# Altium PCB DIO-BNC.PCBDOC (part 3 of 3)
Units mil, origin at the board's own origin, x right, y up, seen from the top; angles counter-clockwise.
Board outline 2496.06 x 3937 mil, 4 copper layers (TopLayer, Internal Plane 2, Internal Plane 1, BottomLayer), stack 65.476 mil thick; 236 components, 132 nets, 813 pads, 428 vias.
Unrouted connection lines stored in the file: 1.
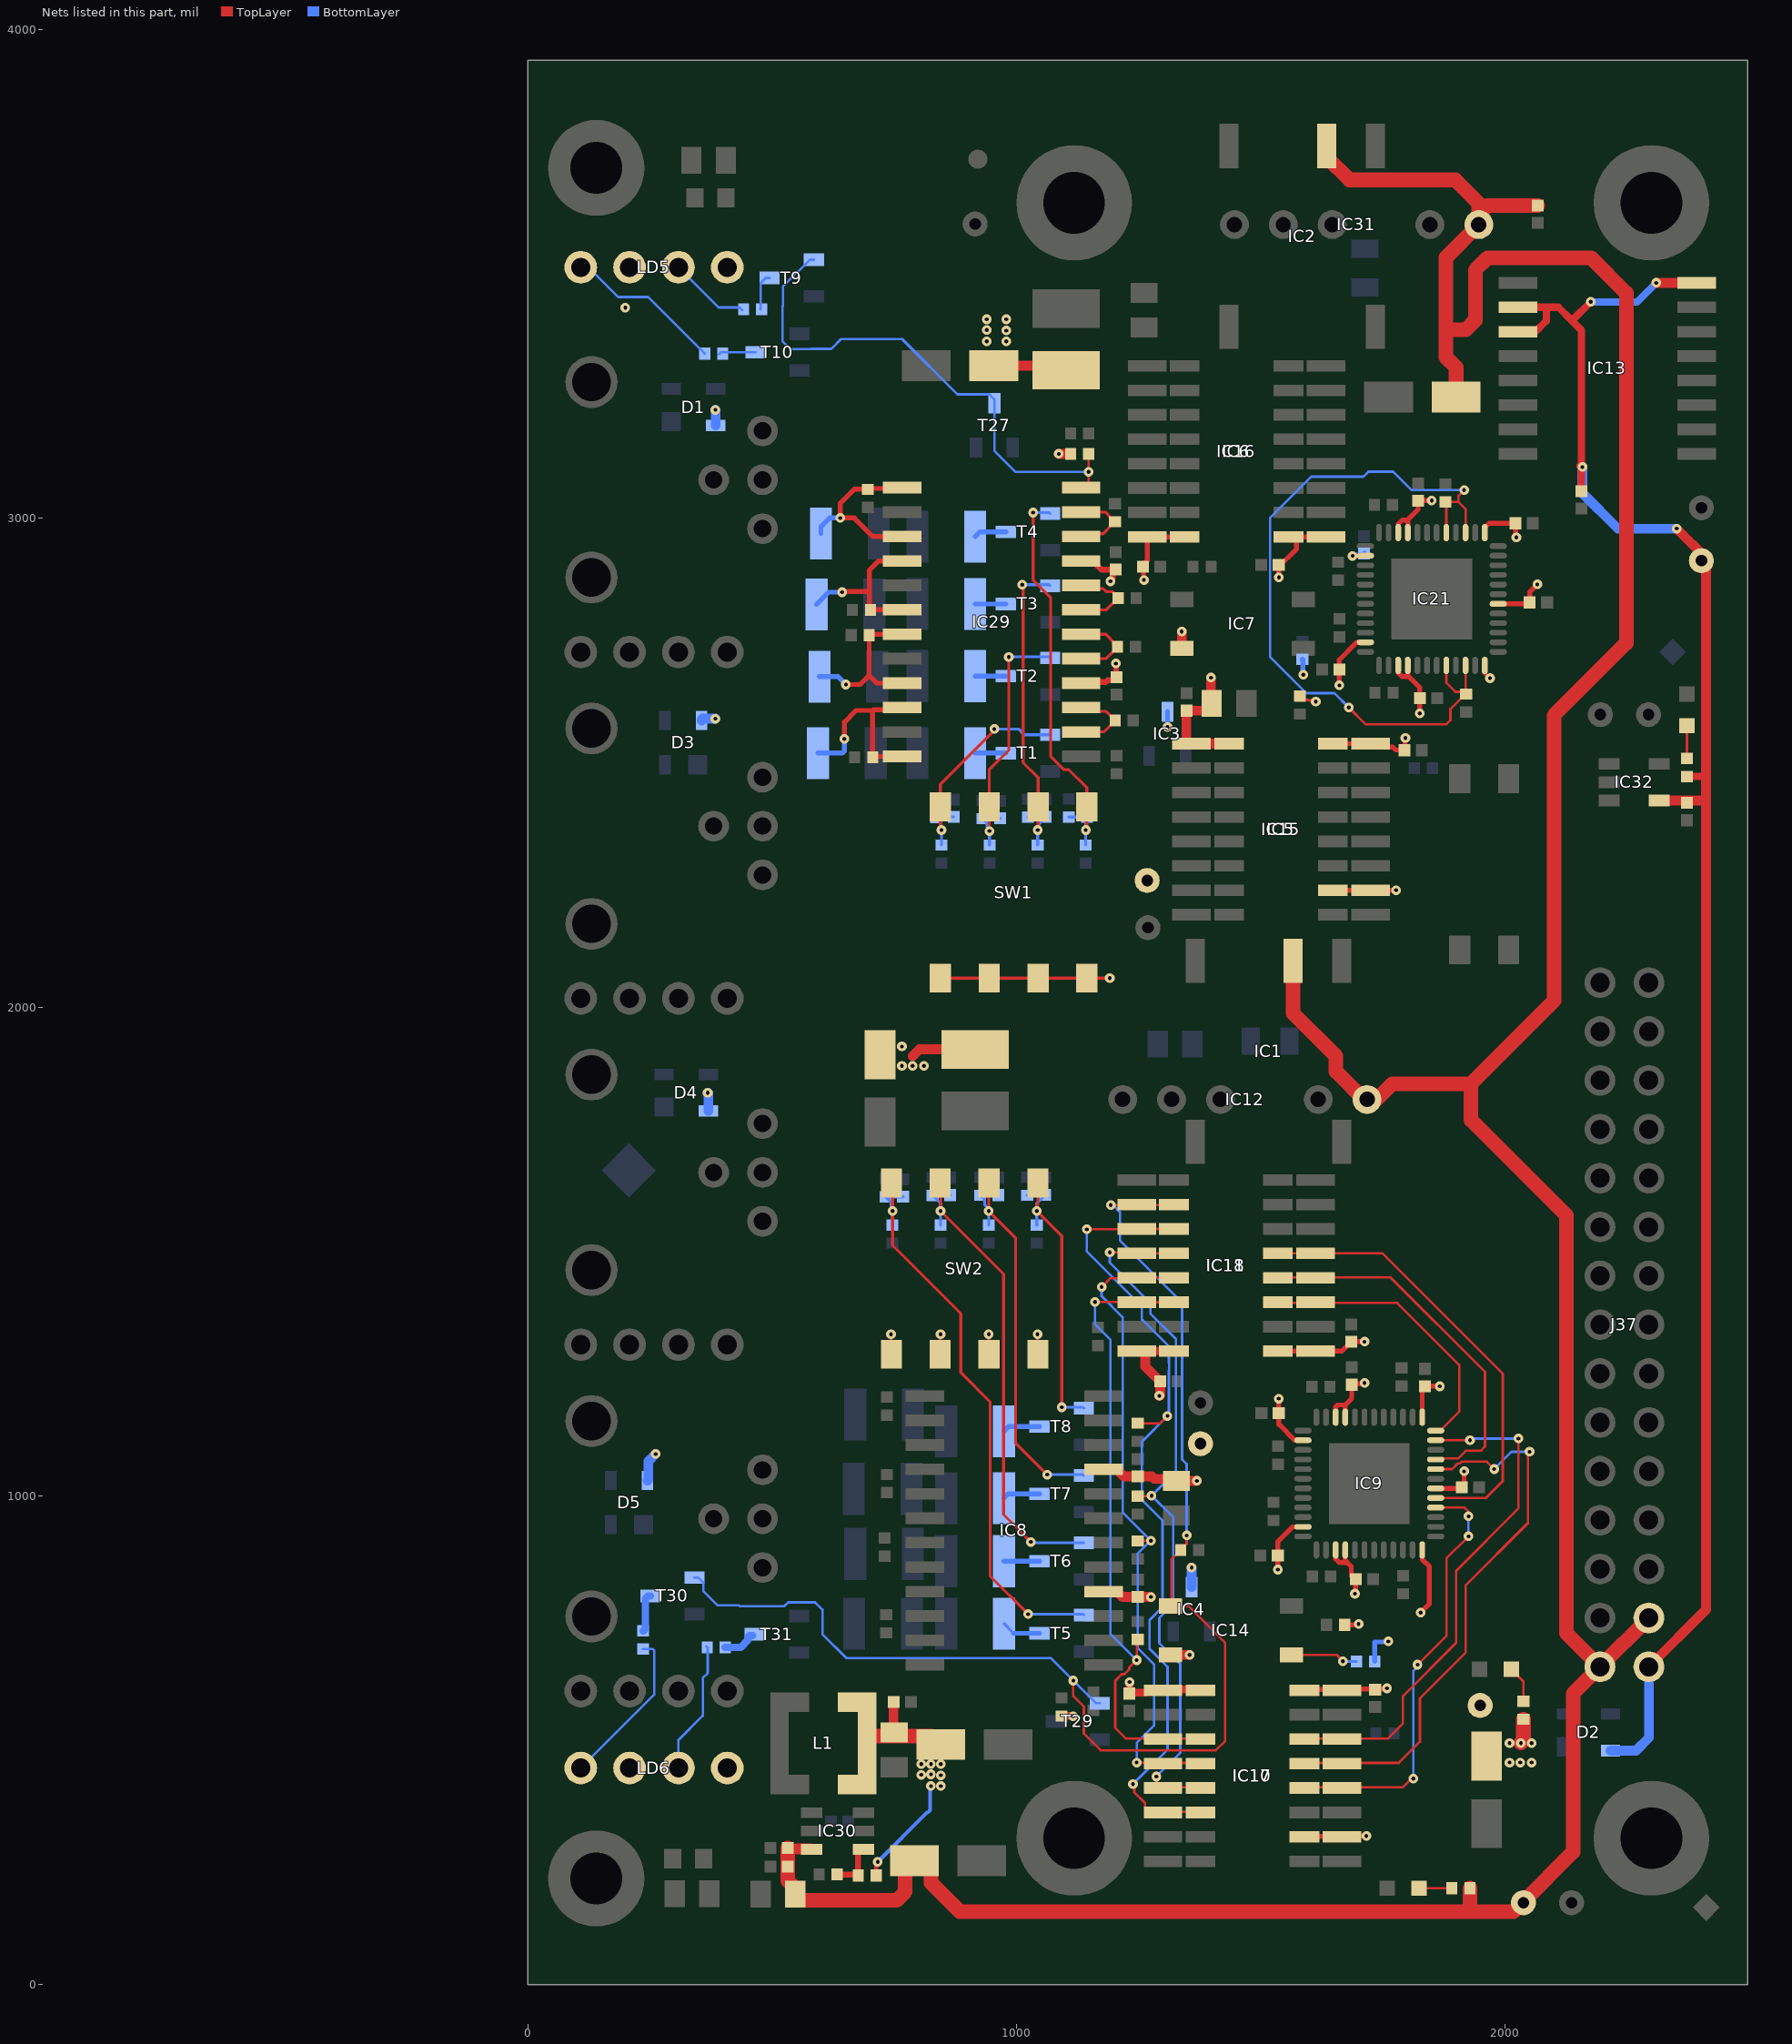
[diagram p5: the nets of this part, all layers, seen from the top]

## Via types
v1: diameter 19.68, hole 7.87, TopLayer to BottomLayer, tented both sides, 351 vias
v2: diameter 19.68, hole 7.87, TopLayer to BottomLayer, 53 vias
v3: diameter 23.62, hole 11.81, TopLayer to BottomLayer, tented both sides, 24 vias

## Nets (pads, with @x,y where several pads share a name; then routed paths per layer and width w, separated by ;. In a path a pad name is that pad's centre, name@x,y a point inside that pad or via, vN(x,y) a via of type N, cw(c..) or ccw(c..) an arc to the next point about the centre after c; other vN are vias at no path point) (continued)
NetIC9_28: IC9.28 IC10.12 IC17.12 | length 894.4
  TopLayer w5: IC10.12@1589,403.28 1790.31,403.28 1808.03,421 v1(1812,421) ; v1(1820.89,654.29) 1880,713.4 1880,872 v1(1925,917) ; IC9.28@1857.83,975.79 1917,975.79 1925,967.79 v1(1925,958)
  BottomLayer w5: v1(1812,421) 1812,641.42 1820.89,650.31 v1(1820.89,654.29) ; v1(1925,917) v1(1925,958)
NetIC9_29: IC9.29 IC11.5 IC18.5 | length 932.6
  TopLayer w5: IC11.5@1535.7,1496 1749,1496 1994.87,1250.13 1994.87,1029.87 1960.47,995.47 IC9.29@1857.83,995.47
NetIC9_32: IC9.32 IC10.13 IC17.13 | length 1160.2
  TopLayer w5: IC10.13@1589,453.28 1782.17,453.28 1825.54,496.65 1825.54,585.38 1919.29,679.13 1919.29,816.93 2046.66,944.3 2046.66,1086.66 v1(2050,1090) ; IC9.32@1857.83,1054.53 1891.57,1054.53 1903.38,1066.34 1907.82,1066.34 1911.1,1069.63 1962.43,1069.63 v1(1977.53,1054.53)
  BottomLayer w5: v1(1977.53,1054.53) 2013,1090 v1(2050,1090)
NetIC9_33: IC9.33 IC11.4 IC18.4 | length 768.6
  TopLayer w5: IC11.4@1535.7,1446 1536.55,1446.85 1611.62,1446.85 1612.47,1446 1613.32,1446.85 1765.15,1446.85 1958.66,1253.34 1958.66,1100.66 1950,1092 1919.33,1092 1903.67,1076.34 1859.96,1076.34 IC9.33@1857.83,1074.21
NetIC9_35: IC9.35 IC10.14 IC17.14 | length 1066.1
  TopLayer w5: IC10.14@1589,503.28 1760.26,503.28 1791,534.02 1791,590.21 1899.61,698.82 1899.61,846.46 2027,973.85 v1(2027,1117) ; IC9.35@1857.83,1113.58 v1(1927.95,1113.58)
  BottomLayer w5: v1(1927.95,1113.58) 1930.76,1116.39 1937.62,1116.39 1938.22,1117 v1(2027,1117)
NetIC9_36: IC9.36 IC11.3 IC18.3 | length 577.1
  TopLayer w5: IC11.3@1535.7,1396 1537.2,1394.5 1610.97,1394.5 1612.47,1396 1613.97,1394.5 1779.5,1394.5 1906,1268 1906,1172 IC9.36@1866,1132
NetIC10_3: IC10.3 IC11.14 IC17.3 IC18.14 R30.2 | length 1317.9
  TopLayer w5: v2(1160.49,1396.66) 1245.67,1396.66 1246.33,1396 IC11.14@1323.1,1396 ; R30.2@1248.07,705.88 1246,703.81 v1(1246,663.7) 1231.06,648.76 1231.06,644.84 1220.91,634.69 1215.3,634.69 1201.92,621.31 1201.92,525.19 1223.83,503.28 1299.63,503.28 IC10.3@1376.4,503.28
  BottomLayer w5: v2(1160.49,1396.66) 1160.49,1351.13 1192.21,1319.41 1192.21,717.49 v1(1246,663.7)
NetIC10_4: IC10.4 IC11.13 IC17.4 IC18.13 R31.2 | length 1369.1
  TopLayer w5: v2(1174.29,1427.17) 1192.13,1445 1245.33,1445 1246.33,1446 IC11.13@1323.1,1446 ; v2(1246,454) 1298.91,454 1299.63,453.28 IC10.4@1376.4,453.28 ; R31.2@1248.03,907.68 1248.5,908.15 v1(1275,908.15)
  BottomLayer w5: v2(1174.29,1427.17) 1174.29,1408.71 1217.32,1365.68 1217.32,965.82 v1(1275,908.15) 1248.03,881.18 1248.03,688.44 1281.5,654.97 1281.5,529.5 1246,494 v2(1246,454)
NetIC10_5: IC10.5 IC11.12 IC17.5 IC18.12 R32.2 | length 1459.9
  TopLayer w5: v2(1190.94,1498) 1244.33,1498 IC18.12@1246.33,1496 ; R32.2@1248.07,999.35 1275.63,999.35 v1(1276.36,1000.08) ; IC18.12@1274,1498 1276,1496 IC11.12@1323.1,1496 ; v2(1286.23,425.35) 1286.23,411.31 1294.26,403.28 IC10.5@1376.4,403.28
  BottomLayer w5: v2(1190.94,1498) 1190.94,1477.48 1274,1394.42 1274,1372.74 1326.34,1320.4 1326.34,1050.06 v1(1276.36,1000.08) 1320.87,955.57 1320.87,778.52 1292.34,750 1292.34,698.39 1335.06,655.67 1335.06,474.18 v2(1286.23,425.35)
NetIC10_6: IC10.6 IC11.11 IC17.6 IC18.11 R33.2 | length 1723.1
  TopLayer w5: v2(1144.09,1545.28) 1245.6,1545.28 1246.33,1546 IC11.11@1323.1,1546 ; v2(1238.37,410) 1241.18,407.19 1241.18,393.17 1262.99,371.36 1262.99,361.31 1271.02,353.28 IC10.6@1376.4,353.28 ; R33.2@1248.07,1148.35 1294.13,1148.35 v1(1309,1163.22)
  BottomLayer w5: v2(1144.09,1545.28) 1144.09,1499.73 1256.66,1387.16 1256.66,1360.74 1311.79,1305.61 1311.79,1272.05 1312.34,1271.49 1312.34,1257.12 1311.79,1256.57 1311.79,1166 1256.66,1110.87 1256.66,991.62 1299,949.28 1299,772.6 1272.34,745.94 1272.34,686.69 1309,650.03 1309,480.63 v2(1238.37,410)
NetIC11_10: IC11.10 IC14.4 IC18.10 R53.2 T29.1 T30.1 | length 2782.4
  TopLayer w5: v2(1116.26,621.7) 1116.26,590.21 1137.8,568.67 1137.8,513.54 1172.34,479 1408.15,479 1427,497.85 1427,698.98 1351.59,774.39 IC14.4@1314.99,774.39 1317.5,776.9 1317.5,869.88 1336,888.39 R53.2@1336,889.17 1348.35,901.52 v1(1348.35,918.81) ; v1(1193,1595) 1318,1595 IC11.10@1319,1596
  BottomLayer w5: T30.1@341.28,832.4 349.15,832.4 359.44,822.11 359.44,804.56 388,776 431.79,776 433.78,774 525,774 533,782 588,782 603,767 603,716.55 651.55,668 1069.96,668 v2(1116.26,621.7) 1162.55,575.41 T29.1@1170.43,575.41 ; v1(1193,1595) 1197,1595 1212.08,1579.92 1212.08,1522.02 1338.96,1395.14 1338.96,1074.41 1348.35,1065.02 v1(1348.35,918.81)
NetIC14_1: IC14.1 R59.1 | length 138.3
  TopLayer w5: IC14.1@1563.02,674.39 1654.93,674.39 v1(1668,661.32)
  BottomLayer w5: v1(1668,661.32) 1668.4,660.93 R59.1@1695.78,660.93
NetIC21_20: IC21.20 IC21.22 IC21.39 IC21.41 R138.1 R152.1 | length 1564.3
  TopLayer w5: v1(1680,2613) 1714.3,2578.7 1845.77,2578.7 1845.82,2578.66 1860.18,2578.66 1860.23,2578.7 1879.7,2578.7 1888,2587 1888,2610 1918.5,2640.5 R152.1@1918.9,2640.5 ; IC21.20@1879.53,2699.17 1879.53,2663.47 1898,2645 1914.4,2645 R152.1@1918.9,2640.5 ; IC21.41@1879.53,2970.83 1879.53,3031.97 R138.1@1878,3033.5 1904.5,3033.5 ; v1(1916,3058) 1904.5,3046.5 1904.5,3033.5 ; IC21.22@1918.9,2699.17 R152.1@1918.9,2640.5 ; IC21.39@1918.9,2970.83 1918.9,3019.1 1904.5,3033.5 ; R152.1@1920,2640.5 R152.1@1918.9,2640.5
  BottomLayer w5: v1(1680,2613) 1650.66,2642.34 1593.37,2642.34 1518.88,2716.84 1518.88,3000.8 1603.49,3085.41 1709.94,3085.41 1720.1,3095.57 1770.8,3095.57 1808.37,3058 v1(1916,3058)
NetIC29_1: IC29.1 IC29.3 R16.2 R149.2 | length 373.7
  TopLayer w10: IC29.3@766.29,2962.89 705.88,2962.89 667.97,3000.8 v1(639.31,3000.8) 639.31,3030.65 668.17,3059.5 R149.2@696,3059.5 697.69,3061.2 764.6,3061.2 IC29.1@766.29,3062.89
  BottomLayer w10: R16.2@599.94,2969 599.94,2983.16 617.58,3000.8 v1(639.31,3000.8)
NetIC29_4: IC29.4 IC29.6 R15.2 R146.2 | length 340.9
  TopLayer w10: v1(643,2849) 644,2850 698.82,2850 ; IC29.6@766.29,2812.89 R146.2@701.23,2812.89 698.82,2815.3 698.82,2850 ; IC29.4@766.29,2912.89 718.01,2912.89 698.82,2893.7 698.82,2850
  BottomLayer w10: R15.2@590.94,2824 615.94,2849 v1(643,2849)
NetIC29_7: IC29.7 IC29.9 R14.2 R143.2 | length 341.1
  TopLayer w10: v1(651,2660) 680.06,2660 698.57,2678.5 ; IC29.9@766.29,2662.89 714.18,2662.89 698.57,2678.5 ; IC29.7@766.29,2762.89 700.45,2762.89 R143.2@698.57,2761.01 698.57,2678.5
  BottomLayer w10: R14.2@596.94,2676 635,2676 v1(651,2660)
NetIC29_10: IC29.10 IC29.12 R13.2 R140.2 | length 382.6
  TopLayer w10: v1(648,2549) 648,2583 671.87,2606.87 705.87,2606.87 ; IC29.10@748.03,2608.27 707.27,2608.27 705.87,2606.87 ; IC29.12@766.29,2512.89 707.87,2512.89 R140.2@705.87,2510.89 705.87,2606.87
  BottomLayer w10: R13.2@593.94,2519.68 643.69,2519.68 648,2524 v1(648,2549)
NetIC29_14: IC29.14 IC29.15 R26.1 | length 160.3
  TopLayer w6: IC29.14@1132.43,2562.89 1132.77,2563.22 1179.02,2563.22 1192.76,2576.97 1193.55,2576.97 1201.97,2585.39 R26.1@1201.97,2586.17 ; IC29.15@1132.43,2612.89 1140.3,2605.02 1183.55,2605.02 1193.2,2595.38 1193.55,2595.38 1196.98,2591.95 R26.1@1196.98,2584.52
NetIC29_17: IC29.17 IC29.18 R27.1 | length 170.6
  TopLayer w5.98: IC29.17@1132.43,2712.89 1183.17,2712.89 1206.5,2736.21 1198.07,2744.64 1198.07,2747.21 1186.39,2758.89 1186.39,2759.38 1182.89,2762.89 IC29.18@1132.43,2762.89
NetIC29_19: IC29.19 IC29.20 R28.1 | length 173
  TopLayer w6: IC29.19@1132.43,2812.89 1183.91,2812.89 1198.81,2827.8 1199.6,2827.8 1208.02,2836.21 R28.1@1208.02,2837 1199.6,2845.42 1199.6,2846.49 1196.08,2850 1183.61,2850 1177.29,2856.33 1139,2856.33 IC29.20@1132.43,2862.89
NetIC29_22: IC29.22 IC29.23 R29.1 | length 159.3
  TopLayer w6: IC29.22@1132.43,2962.89 1138.28,2968.74 1177.29,2968.74 1192.43,2983.88 1192.43,2984.67 R29.1@1200.85,2993.09 ; IC29.23@1132.43,3012.89 1181.83,3012.89 1192.43,3002.29 1192.43,3001.51 R29.1@1200.85,2993.09 ; R29.1@1201.64,2993.09 R29.1@1200.85,2993.09
NetIC29_24: IC29.24 R150.1 T9.1 T27.3 | length 1111
  TopLayer w5: IC29.24@1115.36,3064.89 1117.36,3062.89 IC29.24@1132.43,3062.89 1138.33,3062.89 1147.65,3072.2 v2(1147.65,3095) R150.1@1147.65,3132
  BottomLayer w5: T9.1@585.28,3529.4 577.4,3529.4 521.97,3473.97 521.97,3435.16 521,3434.19 521,3362.32 536.86,3346.46 580.28,3346.46 580.52,3346.7 620.94,3346.7 641.14,3366.9 766,3366.9 879.19,3253.71 944.43,3253.71 954.72,3243.42 T27.3@954.72,3235.54 954.72,3138.32 998.05,3095 v2(1147.65,3095)
NetIC30_4: IC30.4 R17.1 R24.2 | length 92.9
  TopLayer w11.81: R24.2@633.01,225 R17.1@668,225 ; R17.1@676,227 676,271.68 680.92,276.6 IC30.4@687.15,276.6
NetLD4_2: LD4.2 R6.1 | length 67.1
  TopLayer w5: LD4.2@1823.82,196.85 R6.1@1890.94,196.85
NetLD5_1: LD5.1 R44.2 | length 326.6
  BottomLayer w5: LD5.1@105,3504 134,3504 185,3453 245.99,3453 352.29,3346.7 353.07,3346.7 361.99,3337.79 R44.2@361.99,3337
NetLD5_3: LD5.3 R45.1 | length 167.1
  BottomLayer w5: LD5.3@308.27,3513.78 390.47,3431.58 433.42,3431.58 R45.1@439,3426
NetLD6_1: LD6.1 R51.1 | length 327
  BottomLayer w5: LD6.1@108.27,442.91 108.72,442.91 258.63,592.83 258.63,683.57 255.7,686.5 R51.1@236,686.5
NetLD6_3: LD6.3 R50.1 | length 271.5
  BottomLayer w5: LD6.3@308.27,442.91 308.27,500.27 358.08,550.08 358.08,627 368,636.92 R50.1@368,689 ; R50.1@365.5,691.5 R50.1@366,692
NetLD7_2: LD7.2 R8.2 | length 75.5
  TopLayer w5: LD7.2@2012.56,644.76 2037.4,619.92 R8.2@2037.4,579.53
NetLD9_2: LD9.2 R10.2 | length 67.1
  TopLayer w5: R10.2@2372.05,2508.66 LD9.2@2372.05,2575.79
NetR44_1: R44.1 T10.3 | length 76.4
  BottomLayer w5: R44.1@391,3336 395,3340 T10.3@465.72,3340
NetR45_2: R45.2 T9.3 | length 76.4
  BottomLayer w5: R45.2@476,3428 476.56,3428.56 476.56,3481.7 486.85,3492 T9.3@494.72,3492
NetR50_2: R50.2 T31.3 | length 69.5
  BottomLayer w15: R50.2@404.01,690 436,690 451.28,705.28 451.28,711.3 453.98,714 T31.3@460,714
NetR51_2: R51.2 T30.3 | length 80.8
  BottomLayer w15: R51.2@236,723.5 236.79,723.5 240.7,727.42 240.7,789.7 246,795 T30.3@250.72,795
NetR139_1: R139.1 T1.3 | length 63
  BottomLayer w10: R139.1@915.35,2519.68 T1.3@978.35,2519.68
NetR142_1: R142.1 T2.3 | length 63
  BottomLayer w10: R142.1@915.35,2677.17 T2.3@978.35,2677.17
NetR145_1: R145.1 T3.3 | length 63
  BottomLayer w10: R145.1@915.35,2824.8 T3.3@978.35,2824.8
NetR148_1: R148.1 T4.3 | length 67.1
  BottomLayer w10: R148.1@915.35,2962.6 925.2,2972.44 T4.3@978.35,2972.44
NetR158_1: R158.1 T5.3 | length 81
  BottomLayer w6: R158.1@974.41,738.19 R158.1@994.09,718.5
  BottomLayer w10: R158.1@994.09,718.5 T5.3@1047.24,718.5
NetR161_1: R161.1 T6.3 | length 72.8
  BottomLayer w10: R161.1@974.41,866.14 T6.3@1047.24,866.14
NetR164_1: R164.1 T7.3 | length 76.5
  BottomLayer w10: R164.1@974.41,995 983.35,1003.94 T7.3@1047.24,1003.94
NetR168_1: R168.1 T8.3 | length 76.9
  BottomLayer w10: R168.1@974.41,1131.89 984.25,1141.73 T8.3@1047.24,1141.73
P3V3: B5.1 C14.2 C15.2 C16.2 C17.2 C18.1 C19.2 C20.2 C21.2 C22.2 C23.2 C24.2 C53.2 C54.2 C55.2 C56.2 C69.2 C70.2 C71.1 C72.2 C73.2 IC5.10 IC5.16 IC6.1 IC9.2 IC9.11 IC9.15 IC9.16 IC9.24 IC9.30 IC9.37 IC9.45 IC9.46 IC10.10 IC10.16 IC11.1 IC15.10 IC15.16 IC16.1 IC17.10 IC17.16 IC18.1 IC21.2 IC21.11 IC21.15 IC21.16 IC21.24 IC21.30 IC21.37 IC21.45 IC21.46 L1.2 R8.1 R17.2 R49.2 R54.2 R55.2 R59.2 | length 3156
  TopLayer w6: R54.2@1579.65,2636.39 1581.89,2633.01 1582.22,2632.5 1583.93,2630.8 v1(1612.47,2625)
  TopLayer w8: R17.2@713.01,223 713.01,246.01 716,249 v1(716,251)
  TopLayer w10: v1(1534.72,848.84) 1534.72,905.72 1565.42,936.42 IC9.11@1586.17,936.42 ; IC11.1@1535.7,1296 1665.7,1296 C17.2@1685,1315.3 v2(1712.16,1315.3) ; v1(1536.72,1198.72) C70.2@1536.72,1169 1536.72,1146.28 1569.42,1113.58 IC9.2@1586.17,1113.58 ; v2@1536.8,2875.8 C53.2@1536.8,2904.4 ; C53.2@1536.8,2900.4 1536.59,2900.6 1573.25,2937.25 1573.25,2955.19 1566.44,2962 IC6.1@1556.79,2962 IC16.1@1633.56,2962 ; IC10.10@1589,303.28 1665.77,303.28 1666.13,303.64 1714.63,303.64 v1@1714.98,304 ; IC10.16@1589,603.28 1665.77,603.28 1667.13,604.64 1756.64,604.64 v2(1758,606) ; IC15.10@1647.6,2239 IC5.10@1724.37,2239 1779.71,2239 v1@1779.96,2239.25 ; IC15.16@1647.6,2539 IC5.16@1724.37,2539 1731.18,2532.19 1769.49,2532.19 1775.8,2525.88 1793.91,2525.88 C16.2@1794.2,2525.59 1794.99,2526.39 1794.99,2549.93 v2(1795.79,2550.72) ; IC9.15@1653.1,889.17 1653.1,870.9 1661,863 1677,863 ; IC9.46@1653.1,1160.83 1653.1,1182.1 1656.79,1185.79 1672.79,1185.79 ; v1(1660.72,2658.28) C15.2@1660.72,2691 1660.72,2710.72 1696.42,2746.42 IC21.11@1714.17,2746.42 ; R55.2@1671.61,735.81 1698.12,735.81 v1(1700.12,737.81) ; IC9.16@1672.79,889.17 1672.79,867.21 1677,863 ; IC9.45@1672.79,1160.83 1672.79,1185.79 ; C24.2@1685,836 1685,855 1677,863 ; v2(1687.65,2923.22) 1687.83,2923.4 1713.99,2923.4 IC21.2@1714.17,2923.58 ; v1(1692.47,799.5) 1693.78,800.81 1693.78,828.5 C24.2@1694.28,829 ; v1(1712.16,1231) 1710.3,1229.15 1687.86,1229.15 C72.2@1686,1227.28 1686,1199 1672.79,1185.79 ; IC21.15@1781.1,2699.17 1781.1,2683.9 1789,2676 1803,2676 ; IC21.46@1781.1,2970.83 1781.1,2988.1 1789.79,2996.79 1800.79,2996.79 ; IC21.16@1800.79,2699.17 1800.79,2678.21 1803,2676 ; IC21.45@1800.79,2970.83 1800.79,2996.79 ; v1(1825.28,2600.72) C54.2@1825.28,2632 1825.28,2653.72 1803,2676 ; v1(1827,761) 1844.84,778.84 1844.84,855.16 1830.27,869.73 IC9.24@1830.27,889.17 ; IC9.37@1830.27,1160.83 1830.27,1218.55 C20.2@1836,1224.28 v1@1860.28,1224.28 ; v1(1849.72,3036.28) C55.2@1822,3036.28 1822,3018 1800.79,2996.79 ; IC9.30@1857.83,1015.16 1909.44,1015.16 C23.2@1911.28,1017 1911,1017.28 1916,1022.28 v1(1916,1050) ; IC21.24@1958.27,2699.17 1958.27,2683.73 v1(1969,2673) ; IC21.37@1958.27,2981 1967.27,2990 C19.2@2021.28,2990 2021.28,2962.72 v1(2023,2961) ; IC21.30@1985.83,2825.16 2047.44,2825.16 C56.2@2050.28,2828 2050.28,2849.28 v1(2066,2865)
  TopLayer w20: C73.2@747,527 748.57,528.57 C21.2@748.57,578
  TopLayer w30: L1.2@690,506 692,508 C71.1@825.1,508 ; v1(2032,494) 2037.4,499.4 R8.1@2037.4,542.52
  BottomLayer w8: v1(716,251) 817,352 818.31,352 823.16,356.84 823.16,406.84 v1@823,407
  BottomLayer w10: R49.2@1585,2711.5 1586,2710.5 1586,2681 v1(1587,2680) ; v2(1687.65,2923.22) 1689.5,2925.07 1708.23,2925.07 C14.2@1711.44,2928.28 ; R59.2@1732.79,660.93 1732.79,700.93 1759.93,700.93 v1(1761,702)
  other v1: 1715.98,304 825,406 845,406 845,428 805,429 825,430 805,451 825,451 845,451 2009,454 2031,454 2054,454 2009,494 2054,494 1866,1224 1776.96,2239.25
  other v2: 1537,2879
P3V3_MP: B3.1 C37.2 C38.2 D2.4 IC13.2 IC13.3 IC13.16 IC32.4 J37.30 R10.1 | length 3914.7
  TopLayer w15: IC13.3@2025.93,3382 2062,3382 2084,3404 2084,3432 ; IC13.2@2025.93,3432 2084,3432 ; C38.2@2156,3055.72 2156,3107 2156,3385 2136.5,3404.5 ; v1(2175,3443) 2136.5,3404.5 ; R10.1@2372.05,2471.65 2409.82,2471.65 2411,2470.47 ; 2084,3432 2109,3432 2136.5,3404.5
  TopLayer w20: v1@2156,3107 v1(2158,3105) ; J37.30@2294,650 2411,767 2411,2418 ; v1(2309,3482) IC13.16@2392.07,3482 ; IC32.4@2315.18,2422.6 2406.4,2422.6 2411,2418 ; v1(2351,2979) 2411,2919 2411,2470.47 2411,2418
  BottomLayer w15: v1(2175,3443) 2270,3443 v1(2309,3482)
  BottomLayer w20: v1(2158,3105) 2158,3052 2231,2979 v1(2351,2979) ; D2.4@2215.55,478.57 2267.65,478.57 2294,504.93 J37.30@2294,650
P5V0_ISO1: B9.1 C2.2 C48.2 C49.2 C50.2 C51.2 C52.1 D1.4 D3.4 IC3.3 IC5.1 IC6.16 IC7.6 IC15.1 IC16.16 IC29.16 IC29.21 L2.1 LD5.2 LD5.4 R150.2 SW1.1 SW1.2 SW1.3 SW1.4 | length 1301.9
  TopLayer w6: SW1.1@844.09,2059.06 SW1.2@944.09,2059.06 SW1.3@1044.09,2059.06 v1(1190.94,2059.06)
  TopLayer w10: C49.2@1258.36,2900.89 1259.74,2899.51 1259.74,2874.99 v1(1260.84,2873.89) ; C49.2@1258.65,2900.89 1265.85,2908.09 1265.85,2912.39 1267.42,2913.95 IC16.16@1267.42,2962 IC6.16@1344.19,2962
  TopLayer w11.81: IC29.16@1132.43,2662.89 1134.53,2664.99 1182.6,2664.99 1186.51,2668.9 1198.2,2668.9 C50.2@1204.5,2675.2 1203.92,2675.78 1203.92,2702.41 v2(1203.33,2703) ; IC29.21@1132.43,2912.89 1159.99,2912.89 1165.9,2906.98 1165.9,2902.69 1173.41,2895.17 C51.2@1203.33,2895.17 1197.03,2888.87 1197.03,2877.06 1192.16,2872.19 v2(1192.16,2871.34)
  TopLayer w20: C52.1@953.16,3312.32 1092.72,3312.32 L2.1@1101.89,3303.15 ; v1(1086.5,3132) R150.2@1110.64,3132 ; v1(1338.19,2768.46) 1338.58,2768.07 IC7.6@1338.58,2734 ; IC5.1@1358.23,2539 1349.71,2539 1347.9,2540.81 C48.2@1347.9,2606.57 1398.17,2606.57 v2(1398.17,2674.11) ; IC5.1@1366.09,2539 IC15.1@1435,2539
  BottomLayer w5: v1@198.45,3430 v1(199.57,3431.11)
  BottomLayer w10: v2(1309.06,2572.83) IC3.3@1309.06,2604.33
  BottomLayer w20: D3.4@355.48,2586.42 355.48,2588.19 357.3,2590 v1(383.83,2590) ; v1(383.83,3222.05) 384.54,3221.34 D1.4@384.54,3190.27
  other v1: 939.26,3362.32 979.26,3362.32 979.26,3384.32 939.26,3385.32 939.26,3407.32 979.26,3407.32
P5V0_ISO2: B11.1 C3.2 C28.2 C29.2 C30.2 C31.2 C32.1 D4.4 D5.4 IC4.3 IC8.16 IC8.21 IC10.1 IC11.16 IC14.6 IC17.1 IC18.16 L3.1 LD6.2 LD6.4 R172.2 SW2.1 SW2.2 SW2.3 SW2.4 | length 1156.8
  TopLayer w6: v1(743.15,1330.71) 743.15,1290.28 SW2.1@743.94,1289.5 ; SW2.2@843.94,1289.5 843.94,1327.95 v1@844.72,1328.74 ; v1(943.15,1330.71) 943.15,1290.28 SW2.3@943.94,1289.5 ; v1(1043.15,1330.71) 1043.15,1290.28 SW2.4@1043.94,1289.5
  TopLayer w15.75: R172.2@1092.52,549.31 1115.53,549.31 v2(1115.89,548.94) ; C28.2@1228.98,596.84 C28.2@1230.57,595.24 1232.57,597.24 1266.03,597.24 1272.07,603.28 IC10.1@1376.4,603.28 ; C28.2@1230.98,596.84 v2@1230.98,618.02 ; IC18.16@1246.33,1296 1261.77,1296 IC11.16@1323.1,1296
  TopLayer w20: 787.4,1899.61 801.18,1913.39 L3.1@915.35,1913.39 ; IC8.16@1178.43,804 1205.99,804 1216.87,793.13 C29.2@1248.03,793.13 1248.09,793.06 1274.8,793.06 v1(1275,792.87) ; IC8.21@1178.43,1054 1205.99,1054 1207.8,1052.19 1207.8,1051.53 1219.52,1039.81 C30.2@1248.09,1039.81 1276.36,1039.81 1281.5,1034.67 1323.11,1034.67 C3.2@1327.35,1030.43 v1(1369.18,1030.43) ; IC18.16@1261.77,1296 1263.58,1294.19 1263.58,1264.39 C31.2@1294.07,1233.9 1294.07,1206.23 v1(1292.34,1204.5) ; IC14.6@1314.99,674.39 v1(1354.36,674.39)
  BottomLayer w20: D5.4@244.83,1031.48 246.64,1033.29 246.64,1070.36 v1(261.78,1085.51) ; v1(368.18,1824.71) 369.47,1823.42 D4.4@369.47,1787.31 ; IC4.3@1358.27,812.99 v1(1358.27,853)
  other v1: 844.72,1330.71 765.58,1879.41 787.58,1879.41 810.58,1879.41 765.58,1919.41
  other v2: 1231.23,618.77
P12V0: B6.1 C33.2 C34.1 C35.2 C36.1 C74.2 C75.2 IC1.3 IC2.3 IC12.1 IC30.3 IC31.1 J37.28 J37.29 R6.2 | length 7645.9
  TopLayer w8: IC30.3@586,276 IC30.3@591,281
  TopLayer w20: C74.2@533,277 533.72,277 534.12,276.6 IC30.3@580.85,276.6 ; C74.2@536,279 IC30.3@578.45,279
  TopLayer w30: C74.2@531.72,279 C35.2@531.72,241 531.72,212.58 547.43,196.87 547.43,178.11 553.1,172.44 570.24,172.44 570.68,172 754.83,172 772.4,189.57 772.4,236.5 788.9,253 808.61,253 825.1,236.5 825.1,207.9 884,149 1929.13,149 ; IC1.3@1565.75,2094.49 1565.75,1987.4 1653.54,1899.61 1653.54,1868.46 IC12.1@1717.32,1804.68 ; IC2.3@1634.65,3761.87 1634.65,3739.37 1681.42,3692.6 1897.95,3692.6 1946,3644.55 IC31.1@1946,3622.05 ; IC12.1@1724,1798 1769.1,1843.1 1930.1,1843.1 ; C36.1@1899.61,3248.03 1899.61,3309.06 1878.72,3329.94 1878.72,3385.83 ; R6.2@1927.95,196.85 1927.95,150.18 1929.13,149 ; C33.2@2066.93,3639.76 1963.72,3639.76 IC31.1@1946,3622.05 ; J37.28@2294,750 J37.29@2194,650 ; 1878.72,3385.83 1919.29,3385.83 1939,3405.54 1939,3508 1964,3533 2176,3533 2248,3461 2248,2745 2100,2597 2100,2013 1930.1,1843.1 ; 1878.72,3385.83 1878.72,3533.72 IC31.1@1946,3601 IC31.1@1946,3622.05 ; 1929.13,149 2017,149 2036.36,168.36 2139,271 2139,595 J37.29@2194,650 ; 1930.1,1843.1 1930.1,1768.9 2125,1574 2125,719 J37.29@2194,650
TERM_IO0: C10.2 R1.1 R39.2 SW1.8 T1.1 | length 471.3
  TopLayer w6: v1(846.46,2362.2) 844.09,2364.57 SW1.8@844.09,2409.45 844.09,2456.09 954.72,2566.72 v1(954.72,2568.9)
  BottomLayer w6: R1.1@846.46,2331.5 v1(846.46,2362.2) 844.3,2364.36 844.3,2379.45 835.88,2387.87 R39.2@835.09,2387.87 836.38,2389.15 C10.2@871.77,2389.15 ; v1(954.72,2568.9) 1003.94,2568.9 1015.75,2557.09 T1.1@1068.9,2557.09
TERM_IO1: C9.2 R2.1 R38.2 SW1.7 T2.1 | length 555.8
  TopLayer w6: v1(944.88,2360.24) 944.09,2361.02 SW1.7@944.09,2409.45 944.09,2485.43 984.25,2525.59 v1(984.25,2716.54)
  BottomLayer w6: R2.1@944.88,2331.5 v1(944.88,2360.24) 944.88,2363.94 939.52,2369.3 939.52,2377.17 931.1,2385.59 R38.2@930.32,2385.59 930.87,2386.14 C9.2@966.6,2386.14 ; v1(984.25,2716.54) 1066.93,2716.54 T2.1@1068.9,2714.57
TERM_IO2: C8.2 R3.1 R37.2 SW1.6 T3.1 | length 674.2
  TopLayer w6: v1(1011.81,2864.17) 1013.78,2862.2 1013.78,2500 1044.09,2469.68 SW1.6@1044.09,2409.45 1044.09,2362.99 v1(1043.31,2362.2)
  BottomLayer w6: v1(1011.81,2864.17) 1066.93,2864.17 T3.1@1068.9,2862.2 ; R37.2@1023.62,2388.58 1023.91,2388.87 C8.2@1059.91,2388.87 1045.93,2374.89 1045.93,2364.82 v1(1043.31,2362.2) R3.1@1043.31,2331.5
TERM_IO3: C7.2 R4.1 R36.2 SW1.5 T4.1 | length 833
  TopLayer w6: v1(1034.17,3011.81) 1034.17,2873.51 1070,2837.68 1070,2512.83 1096.96,2485.87 1107.14,2485.87 1144.09,2448.91 SW1.5@1144.09,2409.45 1144.09,2364.57 v1(1141.73,2362.2)
  BottomLayer w6: v1(1034.17,3011.81) 1066.93,3011.81 T4.1@1068.9,3009.84 ; R36.2@1107.09,2388.86 C7.2@1143.59,2388.86 ; R4.1@1141.73,2331.5 v1(1141.73,2362.2) 1141.73,2387 C7.2@1143.59,2388.86 ; C7.2@1144.09,2389.37 C7.2@1143.59,2388.86
TERM_IO4: C25.2 R5.1 R43.2 SW2.8 T5.1 | length 1212.4
  TopLayer w6: SW2.8@743.94,1639.89 746.3,1637.53 v1(746.3,1582.68) 746.3,1512.43 885.94,1372.78 885.94,1251.97 946.13,1191.78 946.13,835.37 v1(1023.62,757.87)
  BottomLayer w6: R43.2@731.94,1611.63 R43.2@732.72,1611.63 ; R5.1@746.3,1553.94 v1(746.3,1582.68) 743.68,1585.3 743.68,1599.89 741.14,1602.43 741.14,1603.21 R43.2@732.72,1611.63 ; C25.2@767.94,1612.13 767.43,1611.63 R43.2@732.72,1611.63 ; v1(1023.62,757.87) 1135.83,757.87 T5.1@1137.8,755.91
TERM_IO5: C13.2 R7.1 R42.2 SW2.7 T6.1 | length 1023.5
  TopLayer w6: SW2.7@843.94,1639.89 844.72,1639.1 v1(844.72,1582.68) 973.59,1453.81 973.59,961.45 v1(1029.53,905.51)
  BottomLayer w6: R42.2@828.41,1614.21 R42.2@829.2,1614.21 ; R7.1@844.72,1553.94 v1(844.72,1582.68) 844.72,1598.69 R42.2@829.2,1614.21 ; C13.2@864.41,1615.28 863.34,1614.21 R42.2@829.2,1614.21 ; v1(1029.53,905.51) 1031.5,903.54 T6.1@1137.8,903.54
TERM_IO6: C12.2 R9.1 R41.2 SW2.6 T7.1 | length 827.1
  TopLayer w6: SW2.6@943.94,1639.89 943.15,1639.1 v1(943.15,1582.68) 998.07,1527.76 998.07,1108.23 v1(1062.99,1043.31)
  BottomLayer w6: R41.2@925.83,1614.78 R41.2@926.62,1614.78 ; R9.1@943.15,1553.94 v1(943.15,1582.68) 943.15,1586.38 935.04,1594.49 935.04,1606.36 R41.2@926.62,1614.78 ; C12.2@962.83,1615.28 962.33,1614.78 R41.2@926.62,1614.78 ; v1(1062.99,1043.31) 1135.83,1043.31 T7.1@1137.8,1041.34
TERM_IO7: C11.2 R11.1 R56.2 SW2.5 T8.1 | length 632
  TopLayer w6: SW2.5@1043.94,1639.89 1043.94,1596.85 1041.57,1594.49 v1(1041.57,1582.68) 1092.52,1531.73 v1(1092.52,1181.1)
  BottomLayer w6: R56.2@1022.04,1614.78 C11.2@1057.97,1614.78 ; R11.1@1041.57,1553.94 v1(1041.57,1582.68) 1041.57,1598.39 C11.2@1057.97,1614.78 ; C11.2@1059.04,1615.85 C11.2@1057.97,1614.78 ; v1(1092.52,1181.1) 1135.83,1181.1 T8.1@1137.8,1179.13
pads on no net: FTG17.FTG2 FTG18.1 FTG19.1 FTG20.1 IC1.14 IC2.14 IC5.7 IC6.7 IC9.17 IC9.44 IC10.7 IC11.7 IC12.5 IC13.13 IC15.7 IC16.7 IC17.7 IC18.7 IC21.17 IC21.44 IC30.5 IC31.5 IC32.5 J1.6 J1.7 J2.6 J2.7 J3.6 J3.7 J4.6 J4.7
copper on no net:
  other v2: 1773.2,541.05

## Polygon pours and split planes (outlines as drawn)
GND on TopLayer "GND_L01_P028" (solid, remove dead copper, pour order 28): 1523.2,787.82 1465,866.97 1474,1680.69 1537,1743.69 1537,3426 1609,3498 1758,3498 1758,3818 2456.69,3818 2456.69,119 240,119 240,319 427.18,319 444.99,382.69 484.3,382.69 574.63,595.33 910.57,595.33 1237,268.91 1237,210 1265,182 1523.2,182
GND_ISO1 on TopLayer "TopLayer-No Net" (solid, remove dead copper, pour order 18): 742.52,3467.78 1194,3465 1364.53,3635.53 1673.23,3635.53 1673.23,3558 1584,3558 1389.46,3363.46 1389.46,2167.19 1194,2167.19 1194,2029 73,2029 73,3551.26 651,3551.26
GND_ISO2 on TopLayer "MidLayer1-No Net" (solid, remove dead copper, pour order 10): 63,1924 1429.72,1924 1429.72,1729.72 1405,1705 1405,252 1297,252 1297,389 1018,668 63,668
GND on TopLayer "TopLayer-No Net" (solid, remove dead copper, pour order 26): 1442.4,3809.05 1161,3527.66 776,3527.66 682.72,3620.93 245,3620.93 245,3815 1793,3815 1793,3717 1758,3717 1758,3736 1684.94,3809.05
GND_ISO1 on BottomLayer "TopLayer-No Net" (solid, remove dead copper, pour order 22): 742.52,3467.78 1194,3465 1380.57,3651.57 1683.07,3651.57 1683.07,3553.15 1579.15,3553.15 1414.87,3388.87 1414.87,2198.82 1194,2198.82 1194,2029 73,2029 73,3553.15 651,3553.15
GND on BottomLayer "GND_L04_P016" (solid, remove dead copper, pour order 16): 1465,1671.69 1537,1743.69 1537,3426 1609,3498 1758,3498 1758,3818 2456.69,3818 2456.69,119 240,119 240,318.38 427.68,318.38 436.08,350.85 490.57,407.41 495.44,580.26 919.29,586.61 1237,268.91 1237,210 1523.2,210 1523.2,787.82 1465,853.35
GND_ISO2 on BottomLayer "MidLayer1-No Net" (solid, remove dead copper, pour order 12): 63,1924 1308.64,1924 1427.17,1924 1427.17,1742.13 1405,1705 1405,280 1297,280 1297,389 1018,668 63,668
GND on BottomLayer "TopLayer-No Net" (solid, pour order 24): 1407,3762 1171.7,3526.7 776,3526.7 686,3602.36 245,3602.36 245,3615 245,3815 1793,3815 1793,3717 1758,3717 1758,3736 1732,3762
P3V3 on Internal Plane 2 (split plane): 162 vertices, not listed, extent 20.1,20.1 2475.97,3916.9
P5V0_ISO2 on Internal Plane 2 (split plane): 1456.6,1757.49 1413.89,1714.78 1410.87,1711.24 1408.44,1707.28 1406.66,1702.98 1405.58,1698.47 1405.21,1693.83 1405.55,1689.62 1405.38,1687.54 1405.38,838.8 1405.54,836.78 1405.66,834.76 1405.72,834.47 1405.75,834.17 1406.22,832.2 1406.65,830.22 1406.76,829.94 1406.83,829.65 1407.61,827.78 1408.35,825.89 1408.5,825.63 1408.61,825.36 1409.67,823.63 1410.69,821.88 1410.88,821.65 1411.04,821.39 1412.36,819.85 1413.64,818.28 1460.38,769.64 1460.38,230.62 1266.62,230.62 1266.62,342.94 1266.25,347.58 1265.17,352.1 1263.39,356.39 1260.96,360.35 1257.94,363.89 982.89,638.94 979.35,641.96 975.39,644.39 972.35,645.65 971.1,646.17 966.58,647.25 961.94,647.62 499.48,647.62 494.85,647.25 491.2,646.38 490.33,646.17 489.07,645.65 486.03,644.39 483.58,642.88 482.07,641.96 478.54,638.94 440.06,600.46 437.04,596.93 434.61,592.97 433.35,589.93 432.83,588.67 431.75,584.15 431.38,579.52 431.38,434.27 396.73,399.62 61.62,399.62 61.62,1924.38 1456.6,1924.38
P5V0_ISO1 on Internal Plane 2 (split plane): 1698.38,3557.62 1589.02,3557.62 1584.39,3557.25 1580.75,3556.38 1579.87,3556.17 1578.61,3555.65 1575.58,3554.39 1573.12,3552.88 1571.61,3551.96 1568.08,3548.94 1425.91,3406.77 1422.89,3403.24 1420.46,3399.27 1419.2,3396.24 1418.68,3394.98 1417.6,3390.46 1417.23,3385.83 1417.23,2730.15 1417.6,2725.52 1418.68,2721 1419.2,2719.74 1420.46,2716.7 1422.89,2712.74 1425.91,2709.21 1497.38,2637.73 1497.38,2028.62 72.62,2028.62 72.62,3292 72.62,3554.38 650.73,3554.38 731.06,3474.06 734.59,3471.04 738.55,3468.61 740.7,3467.72 742.85,3466.83 747.37,3465.75 752,3465.38 1182,3465.38 1186.63,3465.75 1191.15,3466.83 1192.41,3467.35 1195.45,3468.61 1199.41,3471.04 1202.94,3474.06 1431.27,3702.38 1698.38,3702.38
GND on Internal Plane 1 (split plane): 155 vertices, not listed, extent 20.1,20.1 2475.97,3916.9
GND_ISO2 on Internal Plane 1 (split plane): 1456.6,1757.49 1414.06,1714.94 1411.04,1711.41 1408.61,1707.45 1407.35,1704.41 1406.83,1703.15 1405.75,1698.63 1405.38,1694 1405.38,1324.31 1405.38,837.95 1405.75,833.31 1406.83,828.79 1407.35,827.54 1408.61,824.5 1411.04,820.54 1414.06,817 1460.38,770.68 1460.38,230.62 1266.62,230.62 1266.62,342.94 1266.25,347.58 1265.17,352.1 1263.39,356.39 1260.96,360.35 1257.94,363.89 982.89,638.94 979.35,641.96 975.39,644.39 972.35,645.65 971.1,646.17 966.58,647.25 961.94,647.62 499.48,647.62 494.85,647.25 491.2,646.38 490.33,646.17 489.07,645.65 486.03,644.39 483.58,642.88 482.07,641.96 478.54,638.94 440.06,600.46 437.04,596.93 434.61,592.97 433.35,589.93 432.83,588.67 431.75,584.15 431.38,579.52 431.38,430.91 400.09,399.62 61.62,399.62 61.62,1924.38 1456.6,1924.38
GND_ISO1 on Internal Plane 1 (split plane): 1698.38,3557.62 1584.73,3557.62 1580.1,3557.25 1575.58,3556.17 1573.43,3555.28 1571.29,3554.39 1567.32,3551.96 1563.79,3548.94 1423.54,3408.7 1420.53,3405.17 1418.1,3401.2 1416.84,3398.17 1416.32,3396.91 1415.23,3392.39 1414.87,3387.76 1414.87,3387.75 1414.87,2930.71 1414.87,2732.51 1415.23,2727.88 1416.32,2723.36 1416.84,2722.1 1418.1,2719.07 1420.53,2715.1 1423.54,2711.57 1495.38,2639.73 1495.38,2028.62 72.62,2028.62 72.62,3292 72.62,3554.38 650.73,3554.38 731.06,3474.06 734.59,3471.04 738.55,3468.61 740.7,3467.72 742.85,3466.83 747.37,3465.75 752,3465.38 1182,3465.38 1186.63,3465.75 1191.15,3466.83 1192.41,3467.35 1195.45,3468.61 1199.41,3471.04 1202.94,3474.06 1431.27,3702.38 1698.38,3702.38

## Keep-outs
TopLayer:
  lines w3.94: 63,3604.41 196.41,3604.41 244,3652 244,3662.33 ; 64,331 72,339 191,339 253,277 253,248 ; 247,3819 247,3758 252,3753 252,3712 ; 250.6,120 250.6,196
BottomLayer:
  lines w3.94: 65,339 189,339 254,274 254,248 ; 65,3600 201.25,3600 252,3650.75 252,3821 ; 251.6,119 251.6,196
KeepOutLayer:
  lines w8: 65,3619 65,319 240,319 240,119 2456.69,119 2456.69,3819 240,3819

## Other copper
TopLayer:
  region net P3V3: 793,478 793,395 856,395 856,478
  rectangle net P3V3: 1982,442 2065,505
  rectangle net NetB14_1: 203,208 267,236
  rectangle net P3V3: 687.6,421 705.87,433
  rectangle net GND_ISO1: 649.13,3267.72 777.09,3356.3
  region net GND: 937,479 937,396 1000,396 1000,479
  region net GND: 956,304 956,371 893,371 893,304
  rectangle net GND: 1979,292 2062,355
  region net GND: 1783,2000 1700,2000 1700,1937 1783,1937
  region net GND: 1828.94,3270.11 1828.94,3353.11 1765.94,3353.11 1765.94,3270.11
  region net P5V0_ISO1: 991.26,3335.32 991.26,3418.32 928.26,3418.32 928.26,3335.32
  rectangle net P5V0_ISO2: 738.58,1867.41 821.58,1930.41
  rectangle net GND: 496,332 536,370
  region net GND: 524,382 441,382 441,319 524,319
  rectangle net GND_ISO2: 578.39,1720.03 706.34,1812.6
Internal Plane 1 (plane layer: these items are gaps in the copper):
  lines w59.06: 1720,3732 1419,3732 1182,3495 752,3495 663,3584 43,3584 43,3292 43,1999 434,1999 1525,1999 1525,2652 1444.49,2732.51 1444.49,2930.71 1444.49,3387.76 1584.73,3528 1728,3528 1728,3724 ; 32,370 412.35,370 461,418.65 461,579.52 499.48,618 660.35,618 732.92,618 961.94,618 1237,342.94 1237,201 1490,201 1490,782.95 1435,837.95 1435,1324.31 1435,1694 1486.22,1745.22 1486.22,1954 32,1954 32,370
Internal Plane 2 (plane layer: these items are gaps in the copper):
  lines w59.06: 1434.83,1693.83 1486.22,1745.22 1486.22,1954 32,1954 32,370 409,370 461,422 461,579.52 499.48,618 657,618 782.5,618 961.94,618 1237,342.94 1237,201 1490,201 1490,781.56 1435,838.8 1435,1687.54 ; 1720,3732 1419,3732 1182,3495 752,3495 663,3584 43,3584 43,3292 43,1999 434,1999 1527,1999 1527,2650 1446.85,2730.15 1446.85,3385.83 1589.02,3528 1728,3528 1728,3724

## Silkscreen, mask and mechanical layers (free items; w line width, h text height)
TopOverlay:
  drawing of 1243 lines, arcs and shapes, not listed
  text "R34/R35 C6/C5 - connects panel to circuit ground, remove to float grounds" at 248,3775 h40
  text "BOT OUT" at 494,3523.17 h40
  text "GND" at 866.14,3513.78 h39.37
  text "TOP IN" at 490,3462 h40
  text "GND" at 2248,3001.97 h39.37
  text "IO1/IO0" at 669.48,2942.74 h50 r90
  text "MP" at 2283.46,2893.7 h39.37
  text "MP" at 2391.73,2696.85 h39.37 r90
  text "SDA" at 2224.41,2647.64 h39.37 r90
  text "SCL" at 2309,2647.64 h39.37 r90
  text "OUT" at 2100,2327 h40
  text "5V_1" at 1303.03,2312.19 h39.37 r90
  text "IN" at 2107,2265 h40
  text "IO3/IO2" at 669,2159 h50 r90
  text "Termination" at 738.19,2037.4 h40 r90
  text "GND1" at 1255,2018 h27.56 r90
  text "IO3" at 1112.09,2016 h31.5 r90
  text "IO1" at 914.19,1958.84 h31.5 r90
  text "IO0" at 810.58,1956.94 h31.5 r90
  text "IO2" at 1011.81,1956.94 h31.5 r90
  text "IO4-7" at 2036.69,1881.82 h40 r90
  text "IO0-3" at 1931.76,1876 h40 r90
  text "IO5" at 823.41,1695.18 h31.5
  text "IO6" at 925.24,1694.82 h31.5
  text "IO7" at 1023.35,1695.18 h31.5
  text "IO4" at 721.08,1677.91 h31.5
  text "IO5/IO4" at 657,1423 h47.24 r90
  text "Termination" at 1166.51,1361.78 h35.43 r90
  text "GND2" at 1466,1108 h39.37 r90
  text "TO KASLI/METLINO VHDCI" at 2049,958 h40 r90
  text "5V_2" at 1430,919.36 h39.37 r90
  text "IO7/IO6" at 700,787.21 h50 r90
  text "3.3V" at 1758,631.33 h39.37
  text "3.3" at 1791.34,551.18 h39.37
  text "12V" at 1584,176 h39.37
  text "12V" at 1958.66,68.9 h39.37
  text "GND" at 2086.61,68.9 h39.37
  text "DIO-BNC v1.6.1" at 921,40 h80
BottomOverlay:
  drawing of 1237 lines, arcs and shapes, not listed
  text "DIO-BNC v1.6.1" at 1820,37 h80
Mechanical1:
  the board outline again, w20
Mechanical8:
  lines w3.94: -100.16,-602.13 -100.16,4494.56
Mechanical13:
  lines w1: -198.58,-560.56 -198.58,4611.58
DrillDrawing:
  drawing of 295 lines, arcs and shapes, not listed
  text "Board Layer Stack" at 4083,3650.7 h60 r90
  text "Constant" at 4083,3080.83 h60 r90
  text "3.5" at 4323,3080.83 h60 r90
  text "4.8" at 4563,3080.83 h60 r90
  text "4.2" at 4803,3080.83 h60 r90
  text "4.2" at 5043,3080.83 h60 r90
  text "3.5" at 5283,3080.83 h60 r90
  text "Thickness" at 4083,2431 h60 r90
  text "0,010mm" at 4323,2431 h60 r90
  text "0,036mm" at 4443,2431 h60 r90
  text "0,360mm" at 4563,2431 h60 r90
  text "0,036mm" at 4683,2431 h60 r90
  text "0,800mm" at 4803,2431 h60 r90
  text "0,036mm" at 4923,2431 h60 r90
  text "0,360mm" at 5043,2431 h60 r90
  text "0,036mm" at 5163,2431 h60 r90
  text "0,010mm" at 5283,2431 h60 r90
  text "Material" at 4083,1571.23 h60 r90
  text "Solder Resist" at 4323,1571.23 h60 r90
  text "FR-4" at 4563,1571.23 h60 r90
  text "FR-4" at 5043,1571.23 h60 r90
  text "Solder Resist" at 5283,1571.23 h60 r90
  text "Name" at 4083,531.52 h60 r90
  text "TopOverlay" at 4203,531.52 h60 r90
  text "TopSolder" at 4323,531.52 h60 r90
  text "TopLayer" at 4443,531.52 h60 r90
  text "Dielectric1" at 4563,531.52 h60 r90
  text "Internal Plane 2" at 4683,531.52 h60 r90
  text "Dielectric 3" at 4803,531.52 h60 r90
  text "Internal Plane 1" at 4923,531.52 h60 r90
  text "Dielectric2" at 5043,531.52 h60 r90
  text "BottomLayer" at 5163,531.52 h60 r90
  text "BottomSolder" at 5283,531.52 h60 r90
  text "BottomOverlay" at 5403,531.52 h60 r90
  text "Layer" at 4083,121.61 h60 r90
  text "1" at 4443,121.61 h60 r90
  text "2" at 4683,121.61 h60 r90
  text "3" at 4923,121.61 h60 r90
  text "4" at 5163,121.61 h60 r90

## Dimensions
-20,217 to 0,0 on Mechanical4

## Text inside footprints (layer, text, board x,y; h text height)
IC12: Mechanical14 "6" at 1186.5,1895.94 h59.06 r270; Mechanical14 "1" at 1687.8,1890.94 h59.06 r270
IC31: Mechanical14 "1" at 1916.47,3680.92 h59.06 r270; Mechanical14 "6" at 1415.17,3685.92 h59.06 r270
J37: TopOverlay "30" at 2349,675 h40 r270; Mechanical14 "30" at 2349,675 h40 r270
SW1: TopOverlay "1" at 839.09,2129.25 h39.37; TopOverlay "2" at 929.09,2129.25 h39.37; TopOverlay "ON" at 809.09,2304.25 h39.37; TopOverlay "3" at 1029.09,2129.25 h39.37; TopOverlay "4" at 1129.09,2129.25 h39.37; Mechanical14 "1" at 839.09,2129.25 h39.37; Mechanical14 "2" at 929.09,2129.25 h39.37; Mechanical14 "ON" at 809.09,2304.25 h39.37; Mechanical14 "3" at 1029.09,2129.25 h39.37; Mechanical14 "4" at 1129.09,2129.25 h39.37
SW2: TopOverlay "1" at 738.94,1359.69 h39.37; TopOverlay "2" at 828.94,1359.69 h39.37; TopOverlay "ON" at 708.94,1534.69 h39.37; TopOverlay "3" at 928.94,1359.69 h39.37; TopOverlay "4" at 1028.94,1359.69 h39.37; Mechanical14 "1" at 738.94,1359.69 h39.37; Mechanical14 "2" at 828.94,1359.69 h39.37; Mechanical14 "ON" at 708.94,1534.69 h39.37; Mechanical14 "3" at 928.94,1359.69 h39.37; Mechanical14 "4" at 1028.94,1359.69 h39.37
SW9: TopOverlay "1" at 1902,2187 h39.37; TopOverlay "2" at 1992,2187 h39.37; TopOverlay "ON" at 1872,2362 h39.37; Mechanical14 "1" at 1902,2187 h39.37; Mechanical14 "2" at 1992,2187 h39.37; Mechanical14 "ON" at 1872,2362 h39.37